# Altium PCB PokeyMain.PcbDoc (part 2 of 3) (continued)
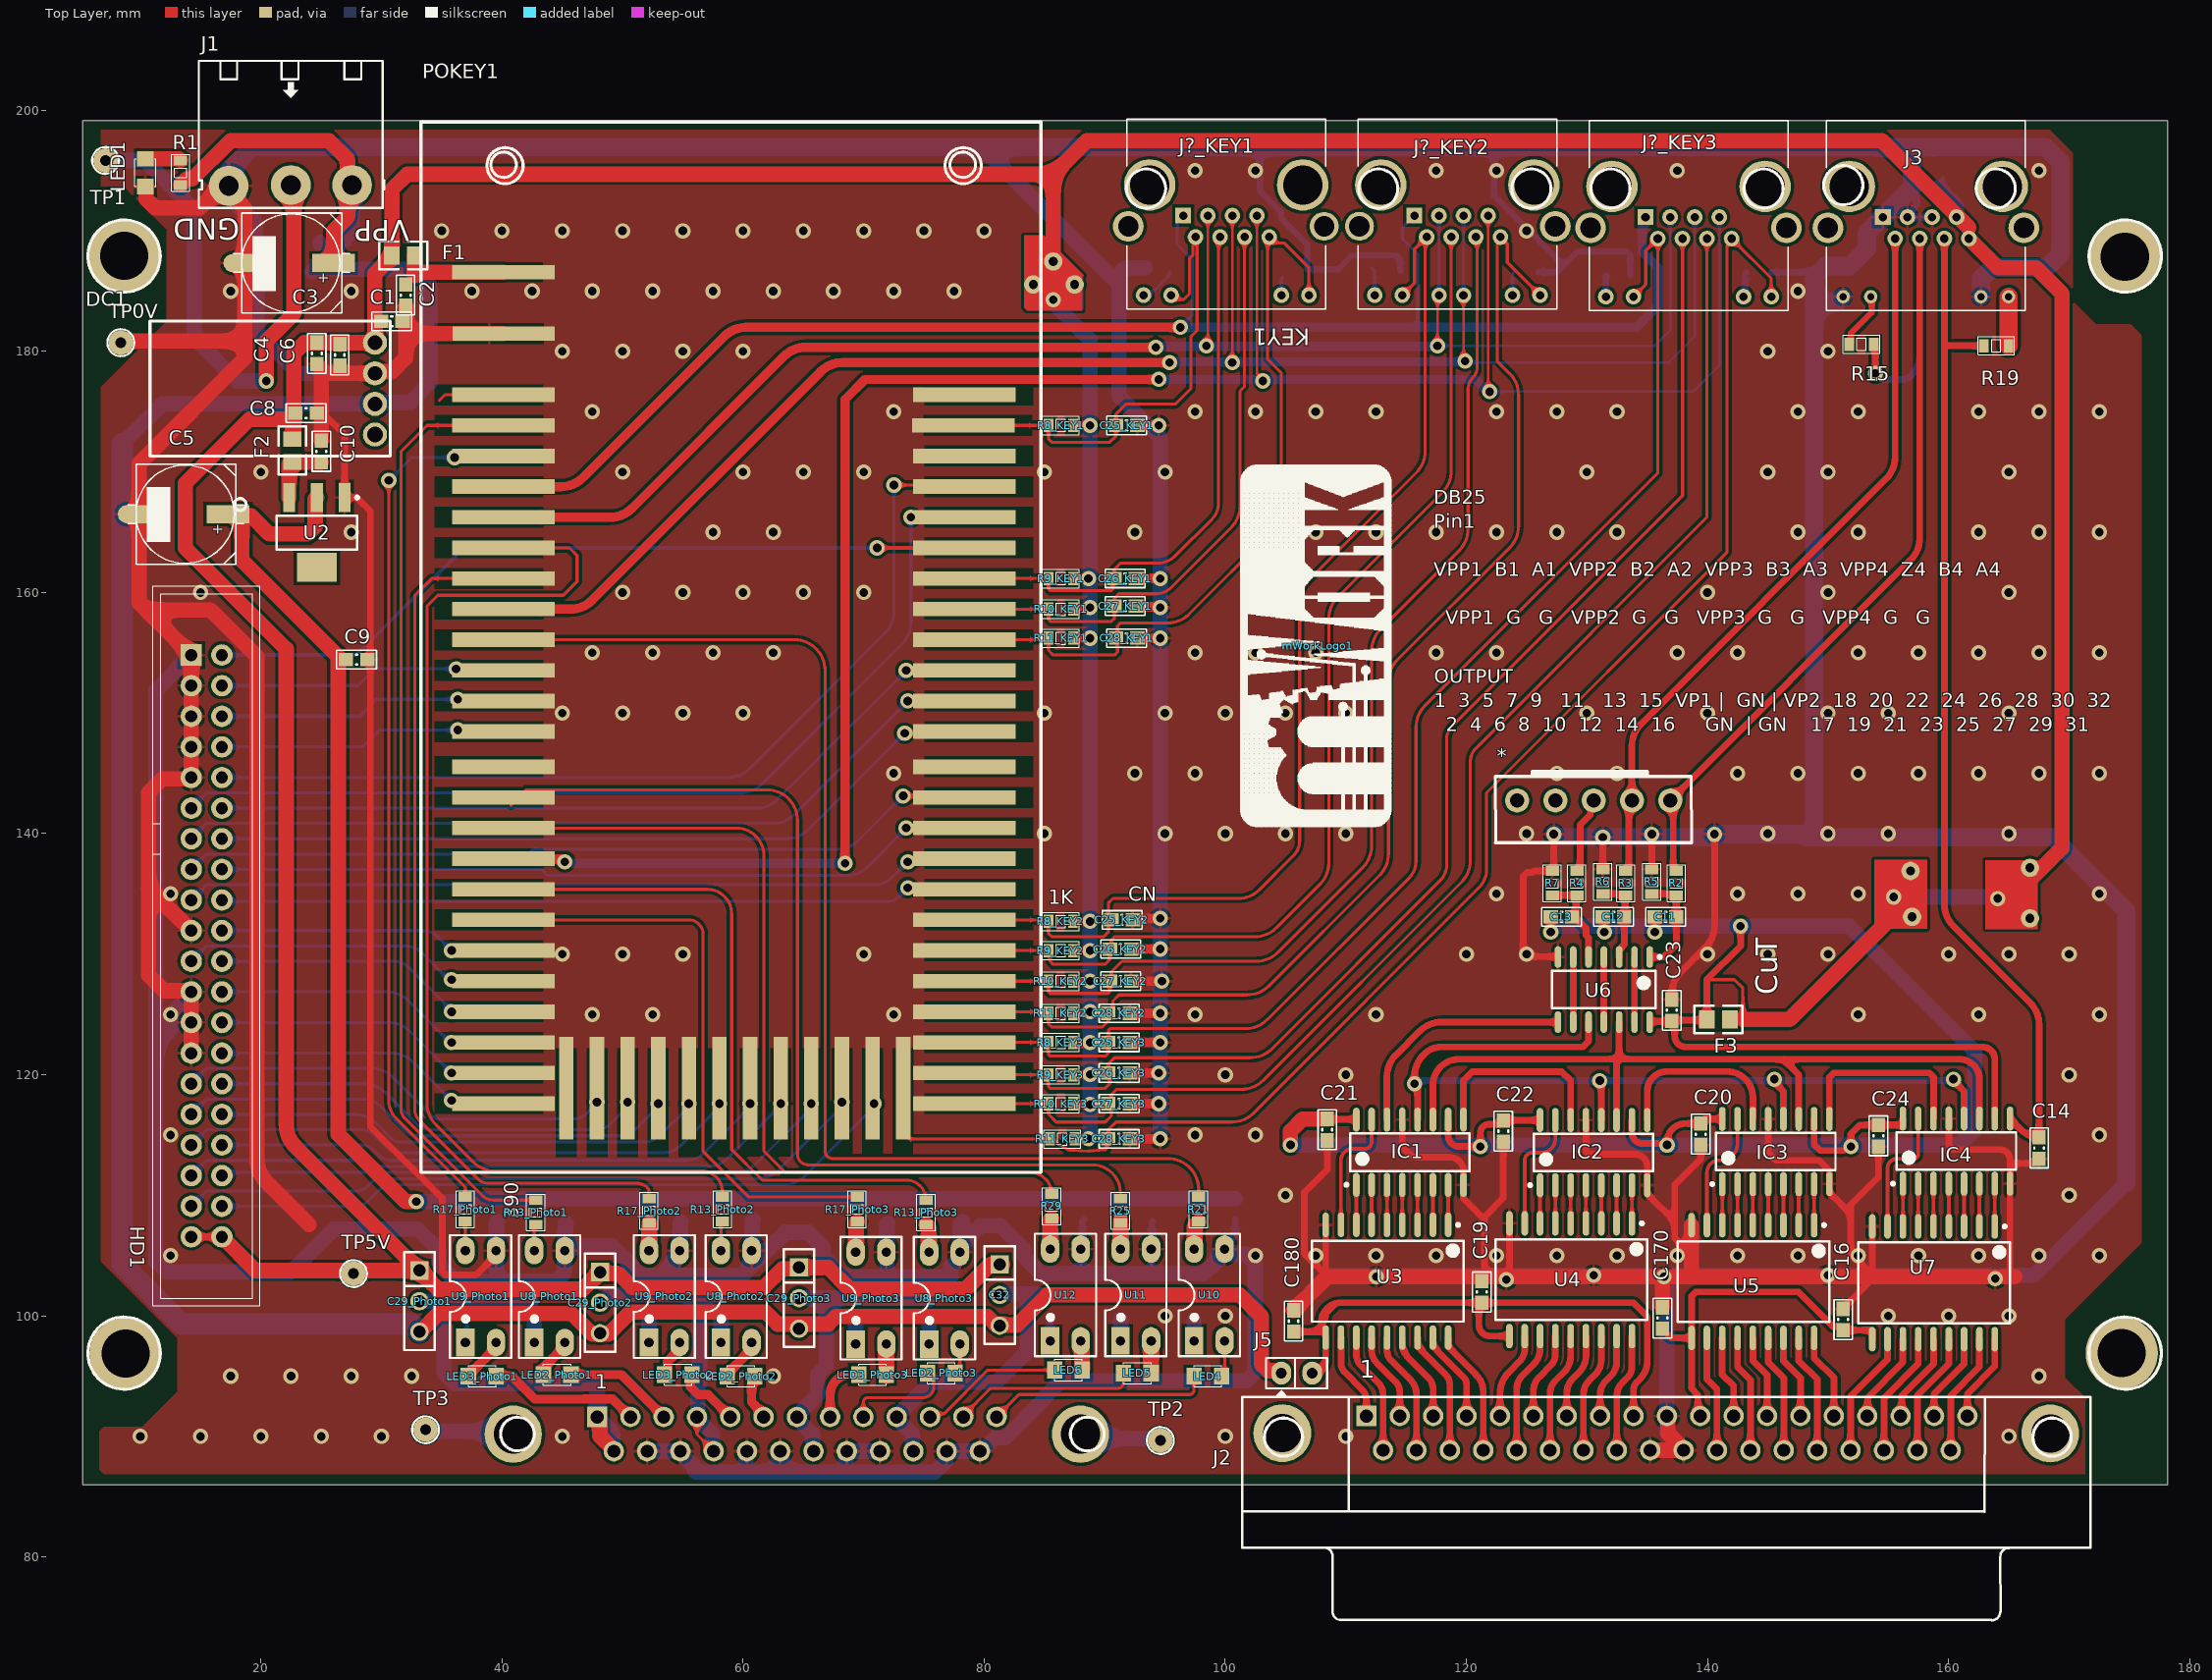
[diagram p0: Top Layer view]
## Nets (pads, with @x,y where several pads share a name; then routed paths per layer and width w, separated by ;. In a path a pad name is that pad's centre, name@x,y a point inside that pad or via, vN(x,y) a via of type N, cw(c..) or ccw(c..) an arc to the next point about the centre after c; other vN are vias at no path point) (continued)
KEY42: C28_KEY2.2 J?_KEY2.8 J?_KEY2.L2+ POKEY1.41 R11_KEY2.2 | length 105.7
  Top Layer w0.254: POKEY1.41@78.362,125.222 85.203,125.222 R11_KEY2.2@85.33,125.095 85.33,124.22 85.598,123.952 89.789,123.952 90.232,124.395 90.297,124.395 C28_KEY2.2@90.297,125.095 90.678,125.476 90.678,126.111 91.186,126.619 101.818,126.619 ccw(c101.818,129.159) 103.614,127.363 112.794,136.543 ccw(c110.998,138.339) 113.538,138.339 113.538,152.618 cw(c116.078,152.618) 114.282,154.414 123.589,163.721 ccw(c121.793,165.517) 124.333,165.517 124.333,176.367 ccw(c121.793,176.367) 123.589,178.163 123.567,178.185 122.555,179.197 122.555,180.628 122.555,188.81 122.623,188.878 122.623,189.282 J?_KEY2.8@122.823,189.482 ; J?_KEY2.8@122.825,189.484 123.396,188.913 123.396,187.383 J?_KEY2.L2+@126.115,184.664
KEY43: C28_KEY3.2 J?_KEY3.8 J?_KEY3.L2+ POKEY1.37 R11_KEY3.2 | length 130.3
  Top Layer w0.254: POKEY1.37@73.282,118.872 73.282,115.154 73.755,114.681 R11_KEY3.2@85.471,114.681 86.904,113.806 ccw(c87.103,114.131) 87.082,113.751 88.589,113.667 ccw(c88.646,114.681) 88.724,113.668 89.956,113.763 90.062,113.771 90.19,113.899 90.19,114.574 C28_KEY3.2@90.297,114.681 90.297,115.443 90.932,116.078 100.548,116.078 ccw(c100.548,118.618) 102.344,116.822 121.094,135.572 ccw(c119.715,136.952) 121.666,136.952 121.666,143.383 141.605,163.322 141.605,188.683 141.998,189.076 J?_KEY3.8@141.998,189.355 ; J?_KEY3.8@142.012,189.345 145.29,186.067 J?_KEY3.L2+@145.29,184.537
LATCH1: C12.1 R3.1 R6.1 U6.3 | length 7.3
  Top Layer w0.559: R6.1@131.318,135.001 132.946,135.001 133.073,134.874 R3.1@133.223,134.874 133.16,134.81 133.16,133.16 C12.1@133.096,133.096 133.096,130.798 132.675,130.377 U6.3@132.675,129.761
MOSI1: C13.1 R4.1 R7.1 U6.5 | length 7.7
  Top Layer w0.559: R7.1@127.127,134.874 R4.1@129.159,134.874 129.095,134.81 129.095,133.032 129.032,132.969 129.082,132.969 129.921,132.13 129.921,131.572 130.135,131.358 U6.5@130.135,129.761
NA0: IC1.15 U3.8 | length 10.6
  Top Layer w0.305: U3.8@109.601,107.545 109.601,112.903 cw(c110.553,112.903) 110.553,113.855 111.569,113.855 ccw(c111.569,114.427) 112.141,114.427 IC1.15@112.141,116.271
NA1: IC1.1 U3.7 | length 3.3
  Top Layer w0.305: U3.7@110.871,107.545 IC1.1@110.871,110.871
NA2: IC1.2 U3.6 | length 3.3
  Top Layer w0.305: U3.6@112.141,107.545 IC1.2@112.141,110.871
NA3: IC1.3 U3.5 | length 3.3
  Top Layer w0.305: U3.5@113.411,107.545 IC1.3@113.411,110.871
NA4: IC1.4 U3.4 | length 3.3
  Top Layer w0.305: U3.4@114.681,107.545 IC1.4@114.681,110.871
NA5: IC1.5 U3.3 | length 3.3
  Top Layer w0.305: U3.3@115.951,107.545 IC1.5@115.951,110.871
NA6: IC1.6 U3.2 | length 3.3
  Top Layer w0.305: U3.2@117.221,107.545 IC1.6@117.221,110.871
NA7: IC1.7 U3.1 | length 3.3
  Top Layer w0.305: U3.1@118.491,107.545 IC1.7@118.491,110.871
NA8: IC2.15 U4.8 | length 10.3
  Top Layer w0.305: U4.8@124.841,107.672 124.841,112.903 cw(c125.476,112.903) 125.476,113.538 126.238,113.538 ccw(c126.238,114.681) 126.53,113.576 ccw(c126.238,114.681) 127.343,114.389 ccw(c126.238,114.681) 127.381,114.681 IC2.15@127.381,116.238
NA9: IC2.1 U4.7 | length 3.2
  Top Layer w0.305: U4.7@126.111,107.672 IC2.1@126.111,110.838
NA10: IC2.2 U4.6 | length 3.2
  Top Layer w0.305: U4.6@127.381,107.672 IC2.2@127.381,110.838
NA11: IC2.3 U4.5 | length 3.2
  Top Layer w0.305: U4.5@128.651,107.672 IC2.3@128.651,110.838
NA12: IC2.4 U4.4 | length 3.2
  Top Layer w0.305: U4.4@129.921,107.672 IC2.4@129.921,110.838
NA13: IC2.5 U4.3 | length 3.2
  Top Layer w0.305: U4.3@131.191,107.672 IC2.5@131.191,110.838
NA14: IC2.6 U4.2 | length 3.2
  Top Layer w0.305: U4.2@132.461,107.672 IC2.6@132.461,110.838
NA15: IC2.7 U4.1 | length 3.2
  Top Layer w0.305: U4.1@133.731,107.672 IC2.7@133.731,110.838
NA16: IC3.15 U5.8 | length 10.3
  Top Layer w0.305: U5.8@139.954,107.521 139.954,111.887 cw(c140.97,111.887) 140.97,112.903 141.097,112.903 ccw(c141.097,114.3) 141.38,112.932 ccw(c141.097,114.3) 142.465,114.017 ccw(c141.097,114.3) 142.494,114.3 IC3.15@142.494,116.332
NA17: IC3.1 U5.7 | length 3.4
  Top Layer w0.305: U5.7@141.224,107.521 IC3.1@141.224,110.932
NA18: IC3.2 U5.6 | length 3.4
  Top Layer w0.305: U5.6@142.494,107.521 IC3.2@142.494,110.932
NA19: IC3.3 U5.5 | length 3.4
  Top Layer w0.305: U5.5@143.764,107.521 IC3.3@143.764,110.932
NA20: IC3.4 U5.4 | length 3.4
  Top Layer w0.305: U5.4@145.034,107.521 IC3.4@145.034,110.932
NA21: IC3.5 U5.3 | length 3.4
  Top Layer w0.305: U5.3@146.304,107.521 IC3.5@146.304,110.932
NA22: IC3.6 U5.2 | length 3.4
  Top Layer w0.305: U5.2@147.574,107.521 IC3.6@147.574,110.932
NA23: IC3.7 U5.1 | length 3.4
  Top Layer w0.305: U5.1@148.844,107.521 IC3.7@148.844,110.932
NA24: IC4.15 U7.8 | length 11
  Top Layer w0.305: U7.8@154.94,107.418 154.94,112.268 cw(c155.702,112.268) 155.702,113.03 157.099,113.03 ccw(c157.099,113.411) 157.48,113.411 IC4.15@157.48,116.365
NA25: IC4.1 U7.7 | length 3.5
  Top Layer w0.305: U7.7@156.21,107.418 IC4.1@156.21,110.965
NA26: IC4.2 U7.6 | length 3.5
  Top Layer w0.305: U7.6@157.48,107.418 IC4.2@157.48,110.965
NA27: IC4.3 U7.5 | length 3.5
  Top Layer w0.305: U7.5@158.75,107.418 IC4.3@158.75,110.965
NA28: IC4.4 U7.4 | length 3.5
  Top Layer w0.305: U7.4@160.02,107.418 IC4.4@160.02,110.965
NA29: IC4.5 U7.3 | length 3.5
  Top Layer w0.305: U7.3@161.29,107.418 IC4.5@161.29,110.965
NA30: IC4.6 U7.2 | length 3.5
  Top Layer w0.305: U7.2@162.56,107.418 IC4.6@162.56,110.965
NA31: IC4.7 U7.1 | length 3.5
  Top Layer w0.305: U7.1@163.83,107.418 IC4.7@163.83,110.965
Net*_3: *.3 R4.2 | length 6.5
  Top Layer w0.559: R4.2@129.159,136.906 129.309,136.906 129.43,137.027 129.43,140.733 130.28,141.583 130.28,142.472 *.3@130.556,142.748
NetC2_2: C2.2 F1.2 POKEY1.0 | length 9.2
  Top Layer w1.27: F1.2@32.761,187.96 32.746,187.945 32.746,186.289 33.02,186.563 POKEY1.0@40.132,186.563
NetC10_2: C10.2 F2.2 U2.3 | length 5.5
  Top Layer w1.27: U2.3@22.338,167.873 22.338,170.652 22.506,170.82 F2.2@22.606,170.82 25.014,170.82 C10.2@25.019,170.815
NetC16_2: C16.2 C170.2 J2.11@139.403,91.694 U5.10 U7.10 | length 30.2
  Top Layer w0.559: C170.2@136.271,98.933 136.271,98.883 136.983,98.171 U5.10@138.684,98.171 ; J2.11@139.403,91.694 139.192,91.905 139.192,93.472 138.684,93.98 U5.10@138.684,98.171 ; U7.10@153.67,98.068 153.67,98.8 153.664,98.806 C16.2@151.257,98.806 151.257,98.856 150.986,99.127 150.428,99.127 147.574,101.981 139.011,101.981 138.684,101.654 U5.10@138.684,98.171
NetC19_1: C19.1 C180.1 J2.9@133.865,91.694 J5.2 U3.10 U4.10 | length 52.2
  Top Layer w0.559: C180.1@105.664,98.679 106.807,98.679 ; J5.2@107.213,95.25 ccw(c107.213,96.368) 108.331,96.368 U3.10@108.331,98.195 ccw(c107.847,98.195) 107.847,98.679 106.807,98.679 ; 107.95,99.441 cw(c109.601,99.441) 109.16,101.032 ; U4.10@123.571,98.322 121.959,98.322 cw(c121.959,99.251) 121.031,99.251 121.031,100.838 C19.1@121.285,101.092 ; J2.9@133.865,91.694 133.865,93.833 cw(c134.835,93.833) 134.149,94.518 134.433,94.803 ccw(c133.062,96.174) 135.001,96.174 135.001,99.949 133.858,101.092 C19.1@121.285,101.092 ; 106.807,98.679 ccw(c106.807,100.203) 108.331,100.203 109.16,101.032 ; 109.16,101.032 cw(c109.601,99.441) 109.601,101.092 C19.1@121.285,101.092
NetIC1_9: IC1.9 IC2.14 | length 16
  Top Layer w0.559: IC1.9@119.761,116.271 119.761,119.507 120.498,120.244 127.914,120.244 128.651,119.507 IC2.14@128.651,116.238
NetIC1_11: IC1.11 IC2.11 IC3.11 IC4.11 U6.12 | length 67.3
  Top Layer w0.559: IC1.11@117.221,116.271 117.221,119.117 cw(c119.389,119.117) 117.855,120.649 cw(c119.389,119.117) 117.856,120.65 cw(c119.389,119.117) 117.857,120.651 cw(c119.389,119.117) 119.389,121.285 132.675,121.285 ; IC2.11@132.461,116.238 132.461,120.93 132.675,121.144 132.675,121.285 ; U6.12@132.675,124.361 132.675,121.285 ; IC3.11@147.574,116.332 147.574,120.015 146.304,121.285 ; IC4.11@162.56,116.365 162.56,119.634 ccw(c160.909,119.634) 162.5,120.075 ccw(c160.909,119.634) 161.35,121.225 ccw(c160.909,119.634) 160.909,121.285 146.304,121.285 ; 132.675,121.285 146.304,121.285
NetIC1_12: IC1.12 IC2.12 IC3.12 IC4.12 U6.10 | length 76.7
  Top Layer w0.559: v1(115.697,119.253) 115.697,119.852 cw(c118.237,119.852) 116.441,121.648 116.523,121.73 cw(c117.902,120.35) 117.902,122.301 129.667,122.301 130.135,122.769 U6.10@130.135,124.361 ; IC1.12@115.951,116.271 v1@115.951,119.253 ; v1(131.064,119.507) 131.191,119.38 IC2.12@131.191,116.238 ; v1(145.542,119.634) 145.542,119.38 146.304,118.618 IC3.12@146.304,116.332 ; v1(160.401,119.634) 160.401,119.507 161.29,118.618 IC4.12@161.29,116.365
  Bottom Layer w0.559: v1(115.697,119.253) 115.951,119.507 v1(131.064,119.507) 160.274,119.507 v1(160.401,119.634)
NetIC1_14: IC1.14 U6.8 | length 20
  Top Layer w0.559: IC1.14@113.411,116.271 113.411,119.852 cw(c115.951,119.852) 114.155,121.648 116.124,123.617 cw(c117.92,121.821) 117.92,124.361 U6.8@127.595,124.361
NetIC2_9: IC2.9 IC3.14 | length 15.1
  Top Layer w0.559: IC2.9@135.001,116.238 135.001,118.618 cw(c136.652,118.618) 136.652,120.269 141.632,120.269 cw(c141.632,118.137) 143.764,118.137 IC3.14@143.764,116.332
NetIC3_9: IC3.9 IC4.14 | length 15.8
  Top Layer w0.559: IC3.9@150.114,116.332 150.114,119.815 150.441,120.142 158.423,120.142 158.75,119.815 IC4.14@158.75,116.365
NetJ1_2: J1.2 TP1.1 | length 44.5
  Top Layer w1.27: v1(20.447,177.546) 20.447,180.848 22.733,183.134 22.733,193.548 J1.2@22.479,193.802
  Bottom Layer w1.27: TP1.1@7.112,195.834 10.414,195.834 14.478,191.77 14.478,181.102 18.034,177.546 v1(20.447,177.546)
NetJ2_26: J2.26@40.935,90.193 TP3.1 | length 7.4
  Bottom Layer w1.27: TP3.1@33.655,90.551 33.801,90.405 40.723,90.405 J2.26@40.935,90.193
NetJ2_27: J2.27@87.987,90.193 TP2.1 | length 6.8
  Bottom Layer w1.27: J2.27@87.987,90.193 88.373,89.808 94.469,89.808 TP2.1@94.615,89.662
NetJ3_L1+: J3.L1 R15.1 | length 4.7
  Top Layer w0.508: R15.1@151.765,180.594 151.911,180.74 151.911,181.502 153.63,183.221 153.63,184.454 J3.L1@153.547,184.537
NetJ3_L2+: J3.L2+ R19.2 | length 4.1
  Top Layer w1.524: R19.2@164.973,180.467 164.973,184.533 J3.L2+@164.977,184.537
NetJ?_KEY1_L1-: J?_KEY1.L1- R23_KEY1.1 | length 3.3
  Bottom Layer w0.254: J?_KEY1.L1-@93.216,184.156 95.203,186.143 ccw(c94.783,186.563) R23_KEY1.1@95.377,186.563
NetJ?_KEY1_L2-: J?_KEY1.L2- R27_KEY1.2 | length 2.1
  Bottom Layer w0.254: J?_KEY1.L2-@104.646,184.156 104.646,186.053 104.775,186.182
NetJ?_KEY2_L1-: J?_KEY2.L1- R23_KEY2.1 | length 2.4
  Bottom Layer w0.254: R23_KEY2.1@112.141,186.944 112.393,186.692 J?_KEY2.L1-@112.393,184.662
NetJ?_KEY2_L2-: J?_KEY2.L2- R27_KEY2.2 | length 2
  Bottom Layer w0.254: J?_KEY2.L2-@123.823,184.662 123.823,186.434 R27_KEY2.2@123.952,186.563
NetJ?_KEY3_L1-: J?_KEY3.L1- R23_KEY3.1 | length 1.8
  Bottom Layer w0.508: J?_KEY3.L1-@131.57,184.537 131.572,184.539 131.572,186.309 R23_KEY3.1@131.574,186.311
NetJ?_KEY3_L2-: J?_KEY3.L2- R27_KEY3.2 | length 2.1
  Bottom Layer w0.508: J?_KEY3.L2-@142.998,184.535 143.127,184.664 143.127,186.434 R27_KEY3.2@143.256,186.563
NetLED1_1: LED1.1 R1.2 | length 3
  Top Layer w1.27: LED1.1@10.414,195.961 13.208,195.961 R1.2@13.335,195.834
NetLED2_Photo1_1: LED2_Photo1.1 U8_Photo1.2 | length 3.2
  Top Layer w0.762: LED2_Photo1.1@43.18,95.441 45.212,97.472 U8_Photo1.2@45.212,97.79
NetLED2_Photo2_1: LED2_Photo2.1 U8_Photo2.2 | length 3.5
  Top Layer w0.762: LED2_Photo2.1@58.674,95.123 58.674,95.186 60.706,97.218 U8_Photo2.2@60.706,97.79
NetLED2_Photo3_1: LED2_Photo3.1 U8_Photo3.2 | length 2.5
  Top Layer w0.254: U8_Photo3.2@77.978,97.663 77.978,95.377 LED2_Photo3.1@78.105,95.25
NetLED3_Photo1_1: LED3_Photo1.1 U9_Photo1.2 | length 3.7
  Top Layer w0.762: LED3_Photo1.1@37.211,94.996 37.211,95.059 39.497,97.346 U9_Photo1.2@39.497,97.79
NetLED3_Photo2_1: LED3_Photo2.1 U9_Photo2.2 | length 3.2
  Top Layer w0.762: LED3_Photo2.1@53.467,95.123 53.721,95.377 53.721,96.187 54.737,97.203 U9_Photo2.2@54.737,97.79
NetLED3_Photo3_1: LED3_Photo3.1 U9_Photo3.2 | length 2.7
  Top Layer w1.27: LED3_Photo3.1@71.882,94.996 U9_Photo3.2@71.882,97.663
NetLED4_1: LED4.1 U10.2 | length 3
  Top Layer w0.254: LED4.1@99.695,94.996 99.949,95.25 U10.2@99.949,97.917
NetLED5_1: LED5.1 U11.2 | length 2.7
  Top Layer w1.27: LED5.1@93.853,95.25 U11.2@93.853,97.917
NetLED6_1: LED6.1 U12.2 | length 2.5
  Top Layer w1.27: U12.2@88.011,97.917 88.011,97.467 88.138,97.34 LED6.1@88.138,95.504
NetR12_Photo1_2: R12_Photo1.2 R13_Photo1.2 U8_Photo1.4 | length 4.5
  Top Layer w0.254: U8_Photo1.4@42.623,105.459 42.672,105.507 42.672,107.442 R13_Photo1.2@42.799,107.569
  Top Layer w1.27: U8_Photo1.4@42.623,105.459 U8_Photo1.4@42.672,105.41
  Bottom Layer w0.254: U8_Photo1.4@42.672,105.41 42.672,107.442 R12_Photo1.2@42.799,107.569
NetR12_Photo2_2: R12_Photo2.2 R13_Photo2.2 U8_Photo2.4 | length 4.8
  Top Layer w0.254: U8_Photo2.4@58.166,105.41 58.166,107.696 R13_Photo2.2@58.293,107.823
  Bottom Layer w0.254: U8_Photo2.4@58.166,105.41 58.166,107.569 R12_Photo2.2@58.293,107.696
NetR12_Photo3_2: R12_Photo3.2 R13_Photo3.2 U8_Photo3.4 | length 4.8
  Top Layer w1.27: R13_Photo3.2@75.184,107.569 75.389,107.364 75.389,105.332 U8_Photo3.4@75.438,105.283
  Bottom Layer w1.27: R12_Photo3.2@75.184,107.555 75.389,107.35 75.389,105.332 U8_Photo3.4@75.438,105.283
NetR14_Photo1_2: R14_Photo1.2 U8_Photo1.1 | length 1.7
  Bottom Layer w1.27: U8_Photo1.1@42.672,97.79 R14_Photo1.2@42.672,99.441
NetR14_Photo2_2: R14_Photo2.2 U8_Photo2.1 | length 1.8
  Bottom Layer w1.27: U8_Photo2.1@58.166,97.79 R14_Photo2.2@58.166,99.568
NetR14_Photo3_2: R14_Photo3.2 U8_Photo3.1 | length 1.8
  Bottom Layer w1.27: R14_Photo3.2@75.438,99.314 U8_Photo3.1@75.438,97.663 U8_Photo3.1@75.565,97.536
NetR16_Photo1_2: R16_Photo1.2 R17_Photo1.2 U9_Photo1.4 | length 4.7
  Top Layer w0.254: U9_Photo1.4@36.957,105.41 R17_Photo1.2@36.957,107.823
  Bottom Layer w0.254: U9_Photo1.4@36.957,105.41 R16_Photo1.2@36.957,107.696
NetR16_Photo2_2: R16_Photo2.2 R17_Photo2.2 U9_Photo2.4 | length 4.6
  Top Layer w1.27: U9_Photo2.4@52.197,105.41 52.148,105.459 52.197,105.507 R17_Photo2.2@52.197,107.696
  Bottom Layer w1.27: U9_Photo2.4@52.197,105.41 52.246,105.459 52.246,107.666 R16_Photo2.2@52.275,107.696
NetR16_Photo3_2: R16_Photo3.2 R17_Photo3.2 U9_Photo3.4 | length 4.8
  Top Layer w1.27: U9_Photo3.4@69.342,105.283 69.391,105.332 69.391,107.745 R17_Photo3.2@69.469,107.823
  Bottom Layer w0.254: U9_Photo3.4@69.342,105.283 69.342,107.302 R16_Photo3.2@69.469,107.428
NetR18_Photo1_2: R18_Photo1.2 U9_Photo1.1 | length 1.8
  Bottom Layer w0.254: U9_Photo1.1@36.957,97.79 37.084,97.917 R18_Photo1.2@37.084,99.568
NetR18_Photo2_2: R18_Photo2.2 U9_Photo2.1 | length 1.8
  Bottom Layer w1.27: U9_Photo2.1@52.197,97.79 R18_Photo2.2@52.197,99.568
NetR18_Photo3_2: R18_Photo3.2 U9_Photo3.1 | length 1.8
  Bottom Layer w1.27: U9_Photo3.1@69.342,97.663 R18_Photo3.2@69.342,99.441
NetR20_2: R20.2 R21.2 U10.4 | length 4.9
  Top Layer w1.27: U10.4@97.409,105.537 97.458,105.586 97.458,107.491 R21.2@97.79,107.823
  Bottom Layer w0.254: U10.4@97.409,105.537 97.409,106.262 98.044,106.897 R20.2@98.044,107.696
NetR22_2: R22.2 U10.1 | length 1.8
  Bottom Layer w1.27: U10.1@97.282,97.663 U10.1@97.409,97.79 ; U10.1@97.409,97.917 R22.2@97.409,99.568
NetR24_2: R24.2 R25.2 U11.4 | length 4.4
  Top Layer w1.27: U11.4@91.313,105.537 R25.2@91.313,107.696 R25.2@91.313,107.936
  Bottom Layer w1.27: U11.4@91.313,105.537 R24.2@91.313,107.555
NetR26_2: R26.2 U11.1 | length 1.8
  Bottom Layer w1.27: U11.1@91.313,97.917 R26.2@91.313,99.695
NetR28_2: R28.2 R29.2 U12.4 | length 4.8
  Top Layer w1.27: U12.4@85.471,105.537 85.471,107.95 R29.2@85.598,108.077
  Bottom Layer w1.27: U12.4@85.471,105.537 85.52,105.586 85.52,107.618 R28.2@85.598,107.696
NetR30_2: R30.2 U12.1 | length 1.7
  Bottom Layer w0.508: U12.1@85.471,97.917 R30.2@85.471,99.568
NetU6_2: U6.2 U6.13 | length 5.4
  Top Layer w0.559: U6.13@133.945,124.361 U6.2@133.945,129.761
NetU6_4: U6.4 U6.11 | length 5.4
  Top Layer w0.559: U6.11@131.405,124.361 U6.4@131.405,129.761
NetU6_6: U6.6 U6.9 | length 5.4
  Top Layer w0.559: U6.9@128.865,124.361 U6.6@128.865,129.761
O1: J2.1@111.705,91.694 U3.11 | length 7.3
  Top Layer w0.559: U3.11@109.601,98.195 109.601,96.08 ccw(c110.685,96.08) 109.919,95.314 111.316,93.916 cw(c110.375,92.976) 111.705,92.976 J2.1@111.705,91.694
O2: J2.20@113.09,88.854 U3.12 | length 10.2
  Top Layer w0.559: U3.12@110.871,98.195 110.871,96.774 ccw(c112.097,96.774) 111.23,95.907 ; 111.23,95.907 112.712,94.424 cw(c111.801,93.513) 113.09,93.513 J2.20@113.09,88.854
O3: J2.2@114.475,91.694 U3.13 | length 7.3
  Top Layer w0.559: U3.13@112.141,98.195 112.141,97.149 ccw(c113.659,97.149) 112.585,96.076 ; 112.585,96.075 114.109,94.551 ; 114.11,94.551 cw(c113.227,93.669) 114.475,93.669 J2.2@114.475,91.694
O4: J2.21@115.86,88.854 U3.14 | length 10.2
  Top Layer w0.559: U3.14@113.411,98.195 113.411,97.155 ccw(c114.637,97.155) 113.77,96.288 ; 113.77,96.288 115.347,94.711 ; 115.347,94.711 cw(c114.107,93.472) 115.86,93.472 J2.21@115.86,88.854
O5: J2.3@117.245,91.694 U3.15 | length 7.4
  Top Layer w0.559: U3.15@114.681,98.195 114.681,97.746 ccw(c116.415,97.746) 114.685,97.623 ccw(c116.415,97.746) 115.189,96.52 116.84,94.869 cw(c115.862,93.891) 117.245,93.891 J2.3@117.245,91.694
O6: J2.22@118.63,88.854 U3.16 | length 10.3
  Top Layer w0.559: U3.16@115.951,98.195 115.951,98.129 ccw(c117.56,98.129) 116.422,96.991 118.264,95.15 ; 118.265,95.149 cw(c117.38,94.266) 118.63,94.266 J2.22@118.63,88.854
O7: J2.4@120.015,91.694 U3.17 | length 7.6
  Top Layer w0.559: U3.17@117.221,98.195 117.221,98.129 ccw(c118.83,98.129) 117.692,96.991 119.788,94.896 cw(c119.24,94.348) 120.015,94.348 J2.4@120.015,91.694
O8: J2.23@121.4,88.854 U3.18 | length 10.5
  Top Layer w0.559: U3.18@118.491,98.195 118.491,97.463 120.777,95.177 120.777,95.123 120.853,95.047 cw(c119.531,93.726) 121.4,93.726 J2.23@121.4,88.854
O9: J2.5@122.785,91.694 U4.11 | length 7.3
  Top Layer w0.559: J2.5@122.785,91.694 122.785,93.539 cw(c125.325,93.539) 123.529,95.335 124.396,96.203 ; 124.397,96.203 ccw(c123.323,97.276) 124.841,97.276 U4.11@124.841,98.322
O10: J2.24@124.17,88.854 U4.12 | length 10.1
  Top Layer w0.559: J2.24@124.17,88.854 124.17,93.899 cw(c125.811,93.899) 124.651,95.059 125.603,96.012 ccw(c124.377,97.238) 126.111,97.238 U4.12@126.111,98.322
O11: J2.6@125.555,91.694 U4.13 | length 7.3
  Top Layer w0.559: J2.6@125.555,91.694 125.555,93.744 cw(c127.236,93.744) 126.048,94.932 127,95.885 ccw(c126.08,96.805) 127.381,96.805 U4.13@127.381,98.322
O12: J2.25@126.94,88.854 U4.14 | length 10
  Top Layer w0.559: J2.25@126.94,88.854 126.94,93.599 cw(c128.328,93.599) 127.346,94.58 ; 127.347,94.581 128.112,95.346 ccw(c126.811,96.647) 128.651,96.647 U4.14@128.651,98.322
O13: J2.7@128.325,91.694 U4.15 | length 7.1
  Top Layer w0.559: J2.7@128.325,91.694 128.325,93.565 cw(c130.074,93.565) 128.836,94.8 cw(c130.074,93.565) 128.837,94.801 129.35,95.313 ccw(c127.97,96.693) 129.921,96.693 U4.15@129.921,98.322
O14: J2.26@129.71,88.854 U4.16 | length 9.9
  Top Layer w0.559: J2.26@129.71,88.854 129.71,93.472 cw(c131.347,93.472) 130.189,94.629 130.683,95.123 ccw(c129.457,96.349) 131.191,96.349 U4.16@131.191,98.322
O15: J2.8@131.095,91.694 U4.17 | length 7.1
  Top Layer w0.559: J2.8@131.095,91.694 131.095,93.486 cw(c132.668,93.486) 131.556,94.599 132.017,95.059 ; 132.017,95.06 ccw(c130.943,96.133) 132.461,96.133 U4.17@132.461,98.322
O16: J2.27@132.48,88.854 U4.18 | length 9.9
  Top Layer w0.559: J2.27@132.48,88.854 132.48,93.384 cw(c133.965,93.384) 132.915,94.434 133.35,94.869 ccw(c132.43,95.789) 133.731,95.789 U4.18@133.731,98.322
O17: J2.30 U5.11 | length 9.7
  Top Layer w0.559: U5.11@139.954,98.171 139.954,94.742 140.79,93.906 J2.30@140.79,88.854
O18: J2.12@142.175,91.694 U5.12 | length 6.9
  Top Layer w0.559: U5.12@141.224,98.171 141.224,95.123 142.175,94.172 J2.12@142.175,91.694
O19: J2.31 U5.13 | length 9.8
  Top Layer w0.559: U5.13@142.494,98.171 142.494,95.758 143.56,94.692 J2.31@143.56,88.854
O20: J2.13@144.945,91.694 U5.14 | length 7
  Top Layer w0.559: U5.14@143.764,98.171 143.764,96.266 144.945,95.085 J2.13@144.945,91.694
O21: J2.32 U5.15 | length 9.9
  Top Layer w0.559: U5.15@145.034,98.171 145.034,96.145 146.33,94.849 J2.32@146.33,88.854
O22: J2.14@147.715,91.694 U5.16 | length 7.1
  Top Layer w0.559: U5.16@146.304,98.171 146.304,96.266 147.715,94.855 J2.14@147.715,91.694
O23: J2.33 U5.17 | length 9.9
  Top Layer w0.559: U5.17@147.574,98.171 147.574,96.266 149.1,94.74 J2.33@149.1,88.854
O24: J2.15@150.485,91.694 U5.18 | length 7.2
  Top Layer w0.559: U5.18@148.844,98.171 148.844,96.52 150.485,94.879 J2.15@150.485,91.694
O25: J2.34 U7.11 | length 10.5
  Top Layer w0.559: J2.34@151.87,88.854 151.87,93.323 154.94,96.393 U7.11@154.94,98.068
O26: J2.16@153.255,91.694 U7.12 | length 7.6
  Top Layer w0.559: J2.16@153.255,91.694 153.289,91.728 153.289,93.218 156.21,96.139 U7.12@156.21,98.068
O27: J2.35 U7.13 | length 10.4
  Top Layer w0.559: J2.35@154.64,88.854 154.64,93.172 157.48,96.012 U7.13@157.48,98.068
O28: J2.17@156.025,91.694 U7.14 | length 7.5
  Top Layer w0.559: J2.17@156.025,91.694 156.115,91.784 156.115,93.377 158.75,96.012 U7.14@158.75,98.068
O29: J2.36 U7.15 | length 10.3
  Top Layer w0.559: J2.36@157.41,88.854 157.41,93.402 160.02,96.012 U7.15@160.02,98.068
O30: J2.18@158.795,91.694 U7.16 | length 7.4
  Top Layer w0.559: J2.18@158.795,91.694 158.795,93.517 161.29,96.012 U7.16@161.29,98.068
O31: J2.37 U7.17 | length 10.2
  Top Layer w0.559: J2.37@160.18,88.854 160.18,93.378 162.56,95.758 U7.17@162.56,98.068
O32: J2.19@161.565,91.694 U7.18 | length 7.3
  Top Layer w0.559: J2.19@161.565,91.694 161.565,93.535 163.83,95.8 U7.18@163.83,98.068
OutP1: C29_Photo1.2 J2.1@47.895,91.613 J2.14@49.276,88.773 R14_Photo1.1 R18_Photo1.1 | length 38
  Top Layer w1.27: J2.1@47.895,91.613 48.105,91.403 48.105,90.057 49.276,88.887 J2.14@49.276,88.773
  Bottom Layer w1.27: C29_Photo1.2@33.147,101.219 35.433,101.219 ; R14_Photo1.1@42.418,101.219 35.433,101.219 ; J2.14@49.276,88.773 49.195,88.853 49.195,90.313 J2.1@47.895,91.613 47.895,94.361 36.068,94.361 35.179,95.25 35.179,100.965 35.433,101.219
OutP2: C29_Photo2.2 J2.4@56.178,91.613 J2.17@57.559,88.773 R14_Photo2.1 R18_Photo2.1 | length 26.2
  Top Layer w0.254: J2.4@56.178,91.613 56.178,90.153 J2.17@57.559,88.773
  Bottom Layer w1.27: 48.895,101.727 56.388,101.727 ; J2.17@57.559,88.773 57.478,88.853 57.478,90.199 56.178,91.499 J2.4@56.178,91.613 56.259,91.693 56.259,94.232 56.388,94.361 56.388,101.727 ; R14_Photo2.1@58.039,101.727 56.388,101.727
OutP3: C29_Photo3.2 J2.7@64.461,91.613 J2.20@65.842,88.773 R14_Photo3.1 R18_Photo3.1 | length 25.4
  Top Layer w0.254: J2.20@65.687,88.928 J2.20@65.842,88.773
  Bottom Layer w1.27: C29_Photo3.2@64.643,101.473 66.929,101.473 ; J2.20@65.842,88.773 65.761,88.853 65.761,90.199 64.461,91.499 J2.7@64.461,91.613 64.461,91.727 66.167,93.432 66.167,95.123 66.929,95.885 66.929,101.473 ; R14_Photo3.1@75.438,101.346 75.311,101.473 R18_Photo3.1@69.342,101.473 66.929,101.473
OutP4: C32.2 J2.10@72.744,91.613 J2.23@74.125,88.773 R22.1 R26.1 R30.1 | length 37.6
  Top Layer w0.254: J2.10@72.744,91.613 J2.10@72.899,91.458
  Bottom Layer w1.27: J2.23@74.125,88.773 74.044,88.853 74.044,90.199 72.744,91.499 J2.10@72.744,91.613 72.744,91.667 75.565,94.488 81.026,94.488 83.566,97.028 83.566,101.806 ; C32.2@81.661,101.854 81.709,101.806 83.566,101.806 ; R22.1@97.663,101.727 R26.1@91.313,101.727 84.396,101.727 84.316,101.806 83.566,101.806
P8_FastENC: POKEY1.10 R21.1 | length 101.4
  Top Layer w0.254: POKEY1.10@40.132,156.083 64.262,156.083 cw(c64.262,153.543) 66.802,153.543 66.802,113.683 ccw(c67.444,113.683) 67.444,113.041 95.25,113.041 cw(c95.25,110.501) 97.682,111.233 cw(c95.25,110.501) 97.79,110.501 R21.1@97.79,109.855
P9/MOSI: HD1.4 POKEY1.11 | length 20.6
  Bottom Layer w0.254: HD1.4@16.764,152.273 28.067,152.273 29.464,153.67 v1(36.195,153.67) 36.83,153.67
P10/ENB: HD1.6 POKEY1.12 | length 20.8
  Bottom Layer w0.305: HD1.6@16.764,149.733 28.194,149.733 29.591,151.13 v1(36.322,151.13) 36.83,151.13 36.957,151.003
P11/SCK: HD1.8 POKEY1.13 | length 20.5
  Bottom Layer w0.254: HD1.8@16.764,147.193 28.448,147.193 29.845,148.59 v1(36.322,148.59) v1@36.703,148.59
P12_FastEnc: POKEY1.15 R25.1 | length 83.5
  Top Layer w0.254: POKEY1.15@40.132,143.002 40.272,143.002 40.745,142.529 40.745,142.345 42.037,143.637 61.976,143.637 cw(c61.976,141.097) 64.516,141.097 64.516,113.411 ccw(c65.405,113.411) 64.572,113.101 ccw(c65.405,113.411) 65.095,112.578 ccw(c65.405,113.411) 65.405,112.522 88.963,112.522 cw(c88.963,110.172) 91.26,110.67 cw(c88.963,110.172) 91.313,110.172 R25.1@91.313,109.728
P13_FastENC: POKEY1.16 R29.1 | length 73
  Top Layer w0.254: POKEY1.16@40.132,140.462 59.436,140.462 cw(c59.436,138.176) 60.204,140.329 cw(c59.436,138.176) 61.589,138.944 cw(c59.436,138.176) 61.722,138.176 61.722,113.683 63.518,111.887 83.82,111.887 cw(c83.82,110.109) R29.1@85.598,110.109
P17/PWM1: HD1.20 POKEY1.20 | length 24
  Top Layer w0.254: v1(35.814,130.302) POKEY1.20@40.132,130.302
  Bottom Layer w0.254: HD1.20@16.764,131.953 33.445,131.953 cw(c33.445,130.219) 34.671,131.445 v1(35.814,130.302)
P18/PWM2: HD1.21 POKEY1.21 | length 23.2
  Bottom Layer w0.254: HD1.21@14.224,129.413 15.494,130.683 31.958,130.683 cw(c31.958,128.732) 33.337,130.112 35.56,127.889 v1(35.814,127.889)
P19/PWM3: HD1.22 POKEY1.22 | length 25
  Top Layer w0.254: POKEY1.22@35.941,125.222 POKEY1.22@40.132,125.222
  Bottom Layer w0.254: HD1.22@16.764,129.413 31.032,129.413 cw(c31.032,127.679) 32.258,128.905 v1@35.941,125.222
  other v1: 35.814,125.222
P20/PWM4: HD1.24 POKEY1.23 | length 20.7
  Bottom Layer w0.254: HD1.24@16.764,126.873 30.444,126.873 cw(c30.444,124.333) 32.24,126.129 35.687,122.682 v1(35.814,122.682)
P21/PWM5: HD1.26 POKEY1.24 | length 20.7
  Bottom Layer w0.254: HD1.26@16.764,124.333 30.571,124.333 cw(c30.571,121.793) 32.367,123.589 v1(35.814,120.142)
P22/PWM6: HD1.28 POKEY1.25 | length 22.2
  Top Layer w0.254: POKEY1.25@38.608,117.856 38.862,117.602 POKEY1.25@40.132,117.602
  Bottom Layer w0.254: HD1.28@16.764,121.793 30.825,121.793 cw(c30.825,119.253) 32.621,121.049 v1(35.814,117.856)
P23/SS0: HD1.29 POKEY1.27 | length 37.6
  Top Layer w0.254: POKEY1.27@47.879,118.11 47.882,118.113 POKEY1.27@47.882,118.872
  Bottom Layer w0.254: HD1.29@14.224,119.253 15.494,120.523 29.238,120.523 cw(c29.238,118.138) 30.924,119.824 34.099,116.649 ccw(c34.866,117.416) 34.866,116.332 45.891,116.332 ccw(c45.891,118.066) 47.117,116.84 47.625,117.348 47.879,117.348 v1@47.879,118.11
  other v1: 47.879,117.729
P24/SS1: HD1.30 POKEY1.28 | length 36.2
  Bottom Layer w0.254: HD1.30@16.764,119.253 28.539,119.253 cw(c28.539,116.713) 30.335,118.509 32.952,115.892 ccw(c34.036,116.976) 34.036,115.443 47.796,115.443 ccw(c47.796,117.177) 49.022,115.951 v1@50.419,117.348 ; v1@50.292,117.475 50.419,117.602 v1@50.419,117.856
  other v1: 50.419,117.729
P25/SS2: HD1.31 POKEY1.29 | length 41.3
  Bottom Layer w0.254: HD1.31@14.224,116.713 15.494,117.983 28.439,117.983 cw(c28.439,115.815) 29.971,117.349 cw(c28.439,115.815) 29.972,117.348 32.026,115.294 ; 32.026,115.294 ccw(c32.893,116.161) 32.893,114.935 49.911,114.935 ccw(c49.911,116.468) 50.995,115.384 v1@52.959,117.348
  other v1: 52.959,117.602
P26/SS3: HD1.32 POKEY1.30 | length 40.7
  Bottom Layer w0.254: HD1.32@16.764,116.713 27.777,116.713 cw(c27.777,114.173) 29.573,115.969 30.797,114.745 ccw(c31.564,115.511) 31.564,114.427 51.816,114.427 ccw(c51.816,116.267) 53.117,114.966 v1@55.499,117.348
  other v1: 55.499,117.602
P27/SS4: HD1.33 POKEY1.31 | length 46.5
  Bottom Layer w0.254: HD1.33@14.224,114.173 15.494,115.443 28.194,115.443 cw(c28.194,113.603) 29.495,114.904 30.48,113.919 ccw(c31.4,114.839) 31.4,113.538 53.467,113.538 ccw(c53.467,115.378) 54.768,114.077 v1@58.039,117.348
  other v1: 58.039,117.602
P28/SS5: HD1.34 POKEY1.32 | length 46
  Bottom Layer w0.254: HD1.34@16.764,114.173 28.194,114.173 cw(c28.194,112.333) 29.495,113.634 29.86,113.269 ; 29.861,113.268 ccw(c30.743,114.151) 30.743,112.903 55.372,112.903 ccw(c55.372,114.743) 56.673,113.442 v1@60.579,117.348
  other v1: 60.579,117.602
P29/SS6: HD1.35 POKEY1.33 | length 53
  Top Layer w0.254: POKEY1.33@62.992,117.348 63.122,117.478 POKEY1.33@63.122,118.872
  Bottom Layer w0.254: HD1.35@14.224,111.633 15.494,112.903 28.597,112.903 cw(c28.597,112.036) 29.209,112.65 ccw(c29.823,113.262) 29.823,112.395 57.141,112.395 ccw(c57.141,114.563) 58.673,113.029 ccw(c57.141,114.563) 58.674,113.03 v1@62.992,117.348
  other v1: 63.119,117.602
P30/SS7: HD1.36 POKEY1.34 | length 51.3
  Bottom Layer w0.254: HD1.36@16.764,111.633 17.018,111.887 59.273,111.887 ccw(c59.273,114.427) 61.069,112.631 v1@65.786,117.348
  other v1: 65.659,117.602